# KiCad board bldc_controller.kicad_pcb
title: ${BOARD_NAME} PCB; date: 2023-12-09; rev: 1.0; company: ${COMPANY}
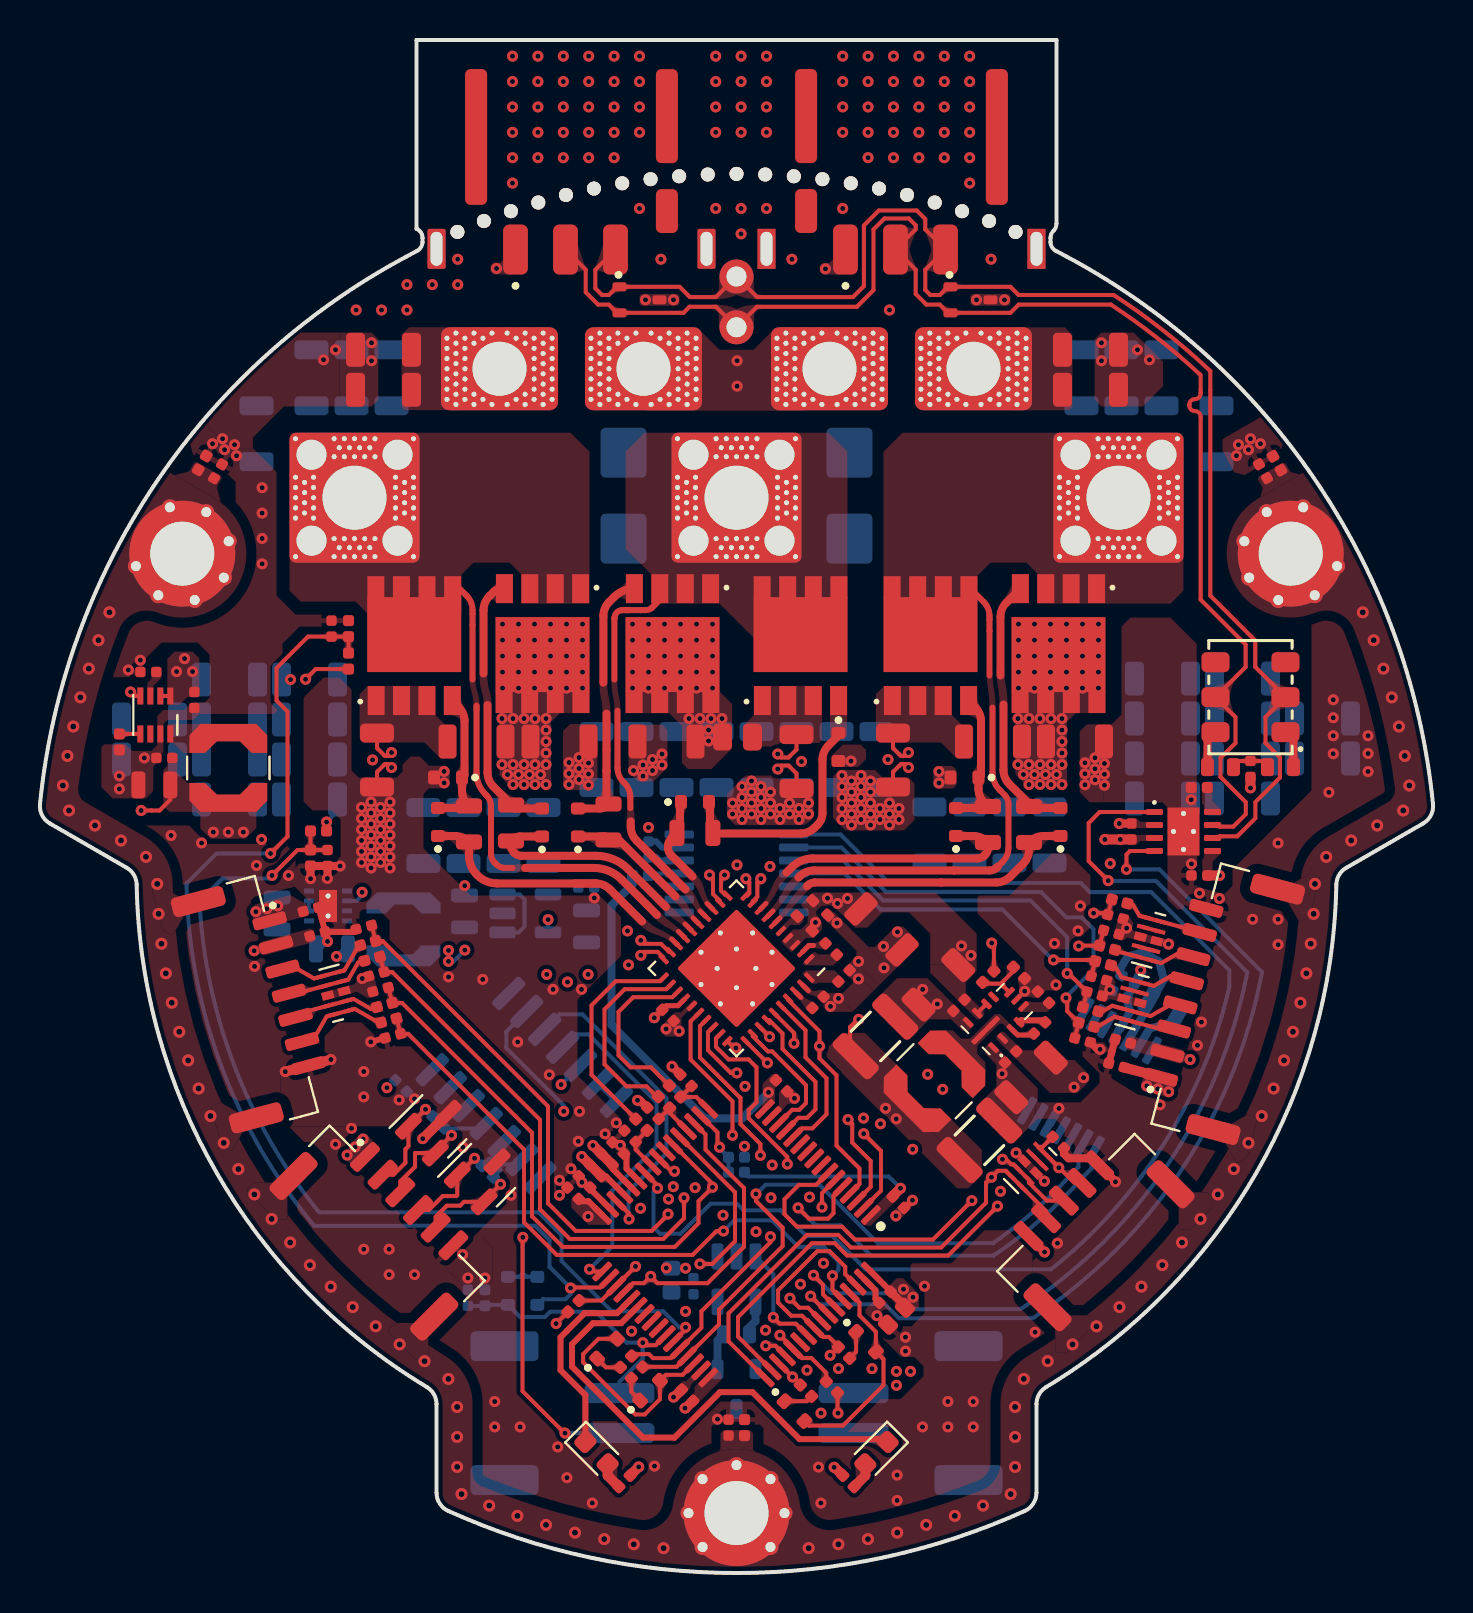
[diagram p0: board, top side]
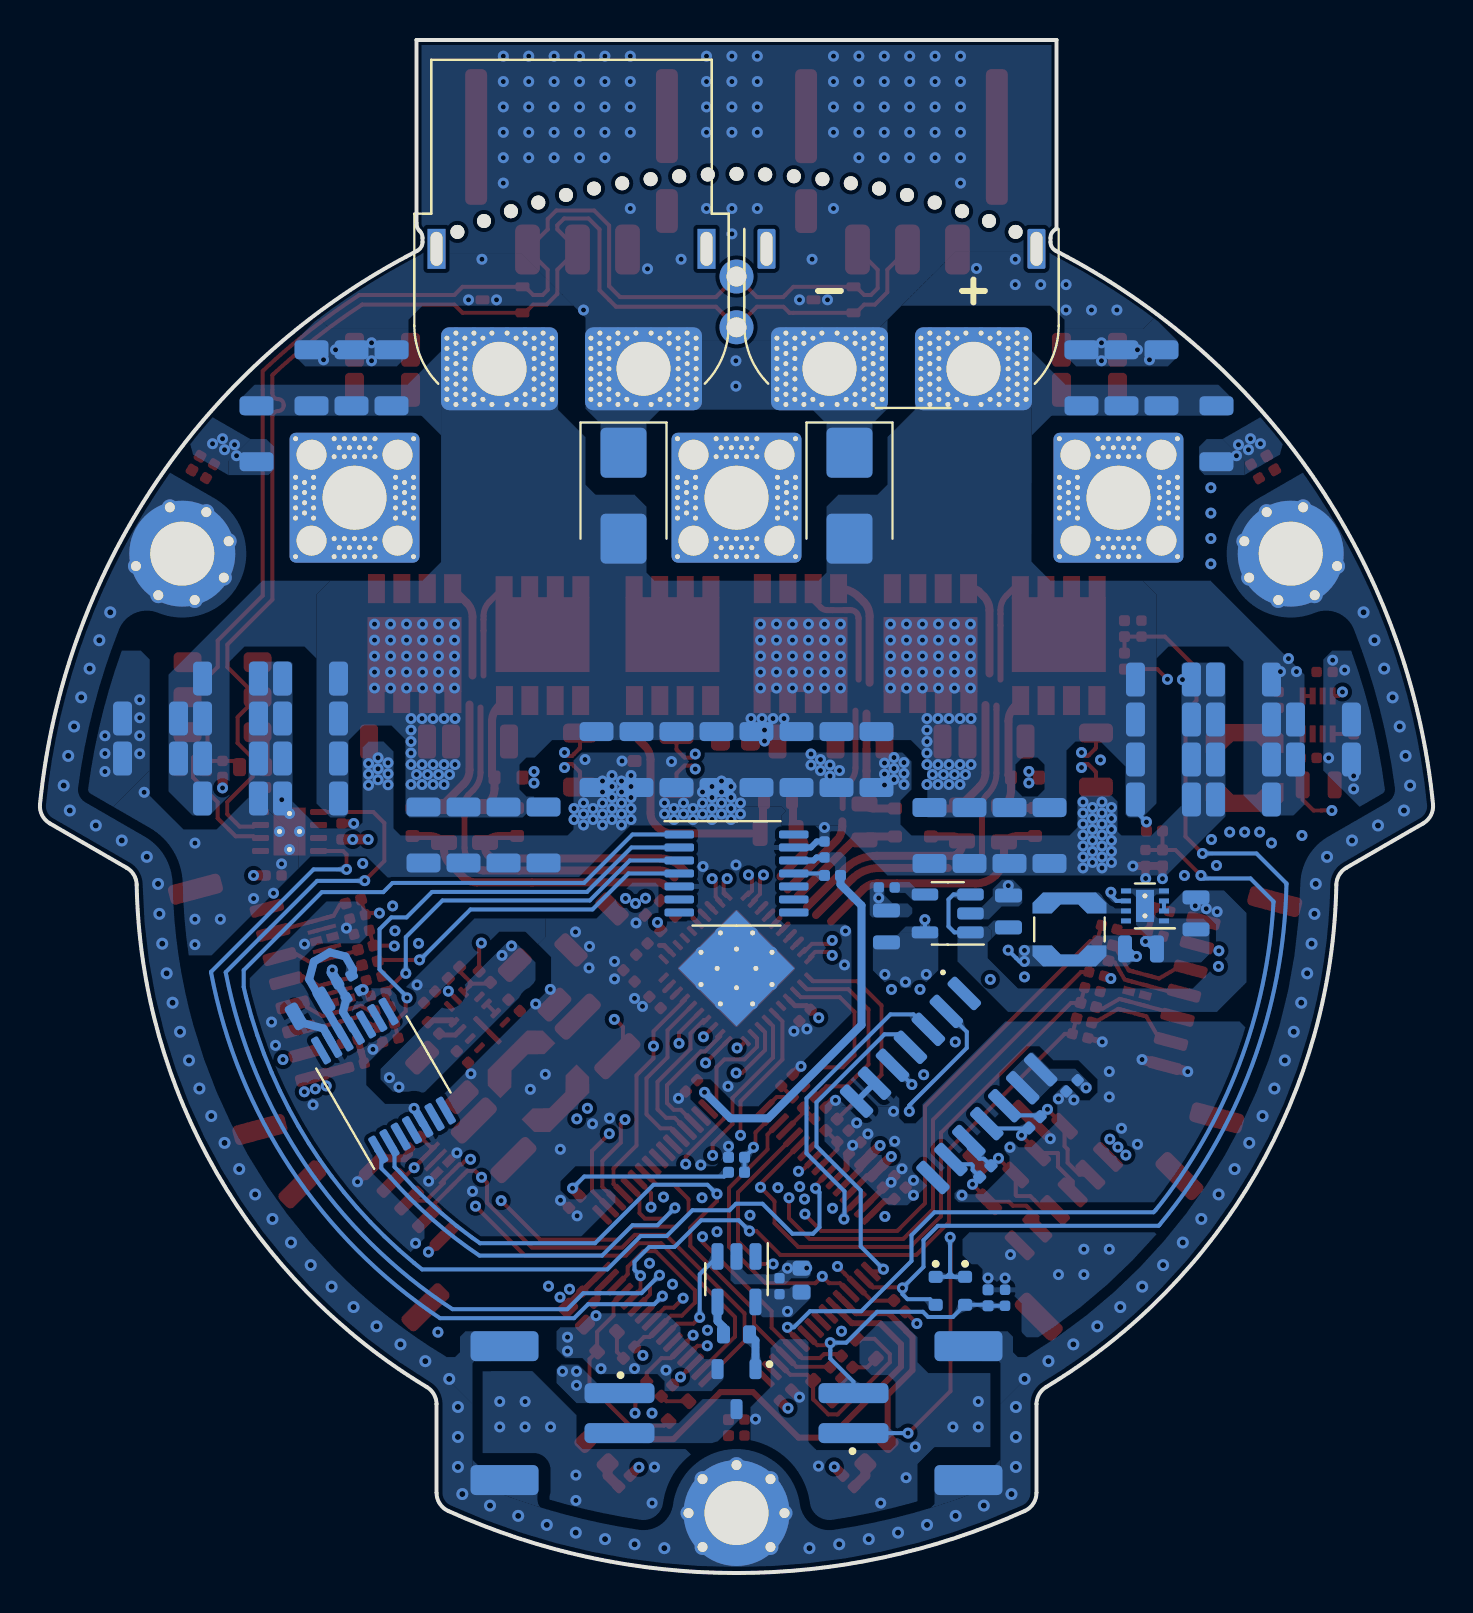
[diagram p1: board, bottom side, seen from below]

Outline 69.66 x 76.7 mm; copper layers: Top, In1.Cu, In2.Cu, In3.Cu, In4.Cu, Bottom. Coordinates in mm from the lower left corner of the outline.
Outline path: 0,38.47 arc(5.73,54.45) 18.3,65.85 18.86,66.15 arc(19.06,66.34) 19.13,66.59 19.13,66.8 arc(19.06,67.05) 18.86,67.24 18.83,67.26 18.83,76.7 50.83,76.7 50.83,67.51 arc(50.79,67.32) 50.68,67.15 arc(50.57,66.99) 50.53,66.8 50.53,66.59 arc(50.6,66.34) 50.79,66.15 51.36,65.85 arc(63.93,54.45) 69.66,38.47 arc(69.55,37.91) 69.16,37.5 65.32,35.29 arc(64.96,34.93) 64.82,34.44 arc(60.81,20) 50.31,9.3 arc(49.96,8.94) 49.83,8.45 49.83,4.02 arc(49.67,3.47) 49.24,3.1 arc(34.83,0) 20.42,3.1 arc(19.99,3.47) 19.83,4.02 19.83,8.45 arc(19.7,8.94) 19.34,9.3 arc(8.85,20) 4.83,34.44 arc(4.69,34.93) 4.33,35.29 0.5,37.5 arc(0.11,37.91) 0,38.47
Stack: Top 0.07mm / dielectric 0.18mm FR4_7628 er 4.29 / In1.Cu 0.035mm / dielectric 0.4mm FR4 er 4.6 / In2.Cu 0.035mm / dielectric 0.18mm FR4_7628 er 4.29 / In3.Cu 0.035mm / dielectric 0.4mm FR4 er 4.6 / In4.Cu 0.035mm / dielectric 0.18mm FR4_7628 er 4.29 / Bottom 0.07mm

## Placement (name value [footprint] x y rotation side)
C1  4u7  [C_0603_1608_DensityHigh]  42.83 12.85 225 top
C2  100n  [C_0402_1005_DensityHigh]  37.08 24.38 315 top
C3  100n  [C_0402_1005_DensityHigh]  26.65 19 135 top
C4  1u X7R 100V  [C_0402_1005_DensityHigh]  27.22 20.14 225 top
C5  4u7  [C_0402_1005_DensityHigh]  28.35 21.27 45 top
C6  100n  [C_0402_1005_DensityHigh]  32.38 8.9 135 top
C7  1u X7R 100V  [C_0402_1005_DensityHigh]  42.92 18.55 315 top
C8  100n  [C_0402_1005_DensityHigh]  28.92 20.69 45 top
C9  100n  [C_0402_1005_DensityHigh]  42.25 13.8 225 top
C10  100n  [C_0402_1005_DensityHigh]  27.8 19.57 225 top
C11  1n  [C_0402_1005_DensityHigh]  32.3 24.65 135 top
C12  1n  [C_0402_1005_DensityHigh]  30.65 23 135 top
C13  1n  [C_0402_1005_DensityHigh]  29.5 21.85 135 top
C14  4u7 100V  [C_1206_3216_DensityHigh]  13.58 59.8 90 bottom
C15  4u7 100V  [C_1206_3216_DensityHigh]  15.58 59.8 90 bottom
C16  4u7 100V  [C_1206_3216_DensityHigh]  5.48 42.7 180 bottom
C17  1u X7R 100V  [C_0402_1005_DensityHigh]  7.72 43.68 270 top
C18  4u7 X7R 100V  [C_1206_3216_DensityHigh]  49.56 24.8 225 top
C19  4u7 100V  [C_1206_3216_DensityHigh]  52.08 59.8 90 bottom
C20  4u7 100V  [C_1206_3216_DensityHigh]  54.08 59.8 90 bottom
C21  4u7 100V  [C_1206_3216_DensityHigh]  56.08 59.8 90 bottom
C22  4u7 100V  [C_1206_3216_DensityHigh]  5.48 40.7 180 bottom
C23  4u7 100V  [C_1206_3216_DensityHigh]  41.83 40.7 270 bottom
C24  4u7 100V  [C_1206_3216_DensityHigh]  39.83 40.7 270 bottom
C25  4u7 X7R 100V  [C_1206_3216_DensityHigh]  44.92 29.43 225 top
C26  4u7 100V  [C_1206_3216_DensityHigh]  37.83 40.7 270 bottom
C27  4u7 100V  [C_1206_3216_DensityHigh]  35.83 40.7 270 bottom
C28  4u7 100V  [C_1206_3216_DensityHigh]  33.83 40.7 270 bottom
C29  220n X7R 100V  [C_0402_1005_DensityHigh]  45.95 28.4 225 top
C30  4u7 100V  [C_1206_3216_DensityHigh]  31.83 40.7 270 bottom
C31  4u7 100V  [C_1206_3216_DensityHigh]  29.83 40.7 270 bottom
C32  4u7 100V  [C_1206_3216_DensityHigh]  27.83 40.7 270 bottom
C33  1u X7R 100V  [C_0402_1005_DensityHigh]  5.42 45.08 180 top
C34  4u7 100V  [C_1206_3216_DensityHigh]  17.18 61.2 180 top
C35  4u7 100V  [C_1206_3216_DensityHigh]  52.53 59.2 0 top
C36  4u7 100V  [C_1206_3216_DensityHigh]  17.58 59.8 90 bottom
C37  220n X7R 100V  [C_0402_1005_DensityHigh]  48.53 25.82 225 top
C38  4u7 100V  [C_1206_3216_DensityHigh]  9.48 40.7 0 bottom
C39  4u7 100V  [C_1206_3216_DensityHigh]  9.48 44.7 0 bottom
C40  4u7 100V  [C_1206_3216_DensityHigh]  19.18 36.9 270 bottom
C41  1u X7R 100V  [C_0402_1005_DensityHigh]  50.17 28.81 135 top
C42  4u7 100V  [C_1206_3216_DensityHigh]  21.18 36.9 270 bottom
C43  4u7 100V  [C_1206_3216_DensityHigh]  23.18 36.9 270 bottom
C44  4u7 100V  [C_1206_3216_DensityHigh]  25.18 36.9 270 bottom
C45  4u7 100V  [C_1206_3216_DensityHigh]  44.48 36.93 270 bottom
C46  4u7 100V  [C_1206_3216_DensityHigh]  46.48 36.93 270 bottom
C47  4u7 100V  [C_1206_3216_DensityHigh]  48.48 36.93 270 bottom
C48  4u7 100V  [C_1206_3216_DensityHigh]  50.48 36.93 270 bottom
C49  4u7 100V  [C_1206_3216_DensityHigh]  58.83 57 270 bottom
C50  4u7 100V  [C_1206_3216_DensityHigh]  17.18 59.2 180 top
C51  4u7 100V  [C_1206_3216_DensityHigh]  56.13 38.75 0 bottom
C52  4u7 100V  [C_1206_3216_DensityHigh]  56.13 40.75 0 bottom
C53  4u7 100V  [C_1206_3216_DensityHigh]  56.13 42.75 0 bottom
C54  1u X7R 100V  [C_0402_1005_DensityHigh]  6.22 40.78 180 top
C55  4u7 100V  [C_1206_3216_DensityHigh]  56.13 44.75 0 bottom
C56  4u7 100V  [C_1206_3216_DensityHigh]  9.48 42.7 0 bottom
C57  4u7 100V  [C_1206_3216_DensityHigh]  60.13 38.75 180 bottom
C58  100n X7R 100V  [C_0402_1005_DensityHigh]  49.98 27.27 45 top
C59  4u7 100V  [C_1206_3216_DensityHigh]  9.48 38.7 0 bottom
C60  4u7 100V  [C_1206_3216_DensityHigh]  13.48 38.7 180 bottom
C61  4u7 100V  [C_1206_3216_DensityHigh]  13.48 40.7 180 bottom
C62  10u X7R 6.3V  [C_0805_2012_DensityHighest]  5.72 39.43 180 top
C63  4u7 100V  [C_1206_3216_DensityHigh]  13.48 42.7 180 bottom
C64  4u7 100V  [C_1206_3216_DensityHigh]  13.48 44.7 180 bottom
C65  4u7 100V  [C_1206_3216_DensityHigh]  60.13 44.75 180 bottom
C66  4u7 100V  [C_1206_3216_DensityHigh]  64.13 42.75 0 bottom
C67  4u7 100V  [C_1206_3216_DensityHigh]  64.13 40.75 0 bottom
C68  4u7 100V  [C_1206_3216_DensityHigh]  60.13 42.75 180 bottom
C69  15u X7R 25V  [C_1210_3225_DensityHigh]  41.78 26.85 45 top
C70  4u7 100V  [C_1206_3216_DensityHigh]  60.13 40.75 180 bottom
C71  4u7 100V  [C_1206_3216_DensityHigh]  52.53 61.2 0 top
C72  4u7 100V  [C_1206_3216_DensityHigh]  10.83 57 270 bottom
C73  15u X7R 25V  [C_1210_3225_DensityHigh]  46.97 21.65 45 top
C74  10u X7R 6.3V  [C_0805_2012_DensityHighest]  21.23 33.1 90 bottom
C75  10u X7R 25V  [C_0805_2012_DensityHighest]  11.85 33 270 bottom
C76  10n  [C_0402_1005_DensityHigh]  27.32 34.3 0 bottom
C77  10u X7R 6.3V  [C_0805_2012_DensityHighest]  27.33 32.35 90 bottom
C78  22u X7R 10V  [C_0805_2012_DensityHighest]  14.6 31.23 180 bottom
C81  1u X7R 25V  [C_0402_1005_DensitySpaced]  38.25 33.25 225 top
C82  4u7 100V  [C_1206_3216_DensityHighest]  42.08 32.2 315 top
C83  100n X7R 16V  [C_0402_1005_DensityHigh]  31.4 27.9 315 top
C84  47n X7R 100V  [C_0402_1005_DensityHigh]  39.56 31.22 315 top
C85  100n X7R 100V  [C_0402_1005_DensitySpaced]  39 32.53 45 top
C86  1u X7R 25V  [C_0402_1005_DensityHigh]  40.2 29.88 45 top
C87  1u X7R 16V  [C_0402_1005_DensityHigh]  38.9 28.55 45 top
C88  100n X7R 100V  [C_1206_3216_DensityHighest]  47.65 41.6 180 top
C89  4u7 100V  [C_1206_3216_DensityHighest]  25.98 41.6 0 top
C90  100n X7R 100V  [C_0805_2012_DensityHigh]  34.88 41.83 0 top
C91  4u7 100V  [C_1206_3216_DensityHighest]  31.33 41.6 180 top
C92  100n X7R 100V  [C_1206_3216_DensityHighest]  21.83 41.6 180 top
C93  4u7 100V  [C_1206_3216_DensityHighest]  51.75 41.6 0 top
C94  100n  [C_0402_1005_DensityHigh]  14.58 47.25 90 top
C95  100n  [C_0402_1005_DensityHigh]  21.4 13.77 90 bottom
C96  100n  [C_0402_1005_DensityHigh]  14.38 35.78 270 top
C97  100n  [C_0402_1005_DensityHigh]  30.43 36.2 90 bottom
C98  100n  [C_0402_1005_DensityHigh]  53.98 28.95 150 bottom
C99  10u X7R 6.3V  [C_0805_2012_DensityHighest]  56.15 28.25 330 bottom
C100  100n  [C_0402_1005_DensityHigh]  18.05 24.38 315 bottom
C101  100n  [C_0402_1005_DensityHigh]  57.98 34.9 180 top
C102  100n  [C_0402_1005_DensityHigh]  54.58 37.1 90 top
C103  4u7  [C_0603_1608_DensityHigh]  31.58 14.65 90 bottom
C104  100n  [C_0402_1005_DensityHigh]  32.68 14.35 90 bottom
C105  100n  [C_0402_1005_DensityHigh]  53.83 25.4 165 top
C106  100n  [C_0402_1005_DensityHigh]  13.55 33.2 15 top
C107  100n  [C_0402_1005_DensityHigh]  54.15 26.6 165 top
C108  100n  [C_0402_1005_DensityHigh]  13.88 31.97 15 top
C109  DNP  [C_0402_1005_DensityHigh]  53.78 32.83 345 top
C110  DNP  [C_0402_1005_DensityHigh]  17.65 26.87 195 top
C111  DNP  [C_0402_1005_DensityHigh]  53.57 32.06 345 top
C112  DNP  [C_0402_1005_DensityHigh]  17.03 29.19 195 top
C113  DNP  [C_0402_1005_DensityHigh]  52.95 29.75 345 top
C114  DNP  [C_0402_1005_DensityHigh]  16.82 29.96 195 top
C115  DNP  [C_0402_1005_DensityHigh]  52.74 28.98 345 top
C116  DNP  [C_0402_1005_DensityHigh]  16.19 32.31 195 top
C117  DNP  [C_0402_1005_DensityHigh]  52.13 26.66 345 top
C118  100n  [C_0402_1005_DensityHigh]  50.92 21.54 315 top
C119  4u7  [C_0402_1005_DensityHigh]  60.53 40.23 270 top
C120  330n  [C_0402_1005_DensityHigh]  34.43 7.28 90 top
C121  330n  [C_0402_1005_DensityHigh]  8.9 55.12 60 top
C122  330n  [C_0402_1005_DensityHigh]  61.15 55.13 120 top
D1  BAT41KFILM  [D_SOD-523]  46.23 39.8 180 top
D2  BAT41KFILM  [D_SOD-523]  51.03 37.58 90 top
D3  BAT41KFILM  [D_SOD-523]  45.8 37.58 90 top
D4  BAT41KFILM  [D_SOD-523]  39.93 41.33 270 top
D5  BAT41KFILM  [D_SOD-523]  26.9 37.55 90 top
D6  BAT41KFILM  [D_SOD-523]  32.75 38.58 0 top
D7  BAT41KFILM  [D_SOD-523]  20.4 39.8 180 top
D8  BAT41KFILM  [D_SOD-523]  25.1 37.55 90 top
D9  BAT41KFILM  [D_SOD-523]  19.9 37.58 90 top
D10  LED  [LED_0603_1608Metric]  27.83 6 315 top
D11  LED  [LED_0603_1608Metric]  41.83 6 225 top
D12  BAT41KFILM  [D_SOD-523]  24.87 14.12 270 bottom
D13  BAT41KFILM  [D_SOD-523]  23.4 14.12 270 bottom
D14  PESD4USB5B-TTSX  [DFN2510-D10]  55.43 31.73 345 top
D15  PESD4USB5B-TTSX  [DFN2510-D10]  14.8 29.01 195 top
D16  PESD4USB3U-TTSX  [DFN2510-D10]  54.6 28.63 345 top
D17  BAT41KFILM  [D_SOD-523]  37.73 8.1 315 top
D18  BAT41KFILM  [D_SOD-523]  28.35 11.23 45 top
D19  BAT41KFILM  [D_SOD-523]  41.3 11.58 315 top
D20  BAT41KFILM  [D_SOD-523]  30.5 9.13 45 top
D21  CDSOT23-SM712  [SOT-23]  22.2 19.91 45 top
D22  PESD2CANFD24V-UX  [SOT-323_SC-70]  46.53 63.7 0 top
D23  PESD2CANFD24V-UX  [SOT-323_SC-70]  29.98 63.7 0 top
D24  PESD4USB3U-TTSX  [DFN2510-D10]  49.52 20.31 315 top
D25  CDSOT23-SM712  [SOT-23]  19.76 22.35 45 top
H1  M3  [MountingHole_3.2mm_M3_Pad_Via]  34.83 3 180 top
H2  M3  [MountingHole_3.2mm_M3_Pad_Via]  7.12 51 60 top
H3  M3  [MountingHole_3.2mm_M3_Pad_Via]  62.54 51 300 top
J1  XT60PW-F  [AMASS_XT60PW-F_1x02_P7.20mm_Horizontal]  39.48 60.25 180 bottom
J2  XT60PW-M  [AMASS_XT60PW-M_1x02_P7.20mm_Horizontal]  30.18 60.25 180 bottom
J3  Phase A  [Pad_Square_Vias_6.5x6.5mm]  53.93 53.8 180 top
J4  Phase B  [Pad_Square_Vias_6.5x6.5mm]  34.83 53.8 180 top
J5  Phase C  [Pad_Square_Vias_6.5x6.5mm]  15.73 53.8 0 top
J6  SM08B-GHS-TB  [JST_GH_SM08B-GHS-TB_1x08-1MP_P1.25mm_Horizontal]  58.97 28.55 75 top
J7  SM07B-GHS-TB  [JST_GH_SM07B-GHS-TB_1x07-1MP_P1.25mm_Horizontal]  10.67 28.53 285 top
J8  JST S2B-PH-SM4-TB  [JST_PH_S2B-PH-SM4-TB_1x02-1MP_P2.00mm_Horizontal]  26.13 8 90 bottom
J9  SM06B-GHS-TB  [JST_GH_SM06B-GHS-TB_1x06-1MP_P1.25mm_Horizontal]  17.15 17.3 315 top
J10  JST S2B-PH-SM4-TB  [JST_PH_S2B-PH-SM4-TB_1x02-1MP_P2.00mm_Horizontal]  43.53 8 270 bottom
J11  Nano-Fit 1x03  [1054301203]  43.08 70.9 180 top
J12  Nano-Fit 1x03  [1054301203#2]  26.58 70.9 180 top
J13  SM05B-GHS-TB  [JST_GH_SM05B-GHS-TB_1x05-1MP_P1.25mm_Horizontal]  52.5 17.33 45 top
J14  PTH 01x02 2.54mm  [PTH_1x02_P2.54mm]  34.83 62.33 180 top
L1  4u7  [L_Coilcraft_LPS4018]  9.42 40.28 270 top
L2  2u2  [L_Coilcraft_LPS4018]  44.73 24.6 225 top
L3  2u2  [L_Coilcraft_LPS3314]  18.18 32.2 270 bottom
NT1  FB_5V  [NetTie-2_SMD_Pad0.2mm]  5.78 38.15 0 top
NT2  FB_12V  [NetTie-2_SMD_Pad0.2mm]  40.65 27.46 225 top
NT3  VOS_3V3  [NetTie-2_SMD_Pad0.2mm]  20.98 30.9 225 bottom
NT4  SRC_HS_A  [NetTie-2_SMD_Pad0.3mm]  47.48 47.43 90 top
NT5  SHNTA_P  [NetTie-2_SMD_Pad0.2mm]  42.83 41.1 315 top
NT6  SHNTA_N  [NetTie-2_SMD_Pad0.2mm]  42.83 40.25 225 top
NT7  SRC_HS_B  [NetTie-2_SMD_Pad0.3mm]  29.73 48.18 0 top
NT8  SHNTB_P  [NetTie-2_SMD_Pad0.2mm]  37.65 41.03 45 top
NT9  SHNTB_N  [NetTie-2_SMD_Pad0.2mm]  37.65 40.18 315 top
NT10  SRC_HS_C  [NetTie-2_SMD_Pad0.3mm]  21.63 47.7 90 top
NT11  SHNTC_P  [NetTie-2_SMD_Pad0.2mm]  17.05 41.08 135 top
NT12  SHNTC_N  [NetTie-2_SMD_Pad0.2mm]  17.05 40.28 225 top
NT13  NTC_MOT_H  [NetTie-2_SMD_Pad0.2mm]  26.78 7 0 bottom
NT14  NTC_MOT_L  [NetTie-2_SMD_Pad0.2mm]  30.14 10.93 270 bottom
Q1  TPW1R306PL,L1Q  [2-5S1A]  50.93 46.5 270 top
Q2  TPW1R306PL,L1Q  [2-5S1A]  44.53 46.4 90 top
Q3  TPW1R306PL,L1Q  [2-5S1A]  31.63 46.5 270 top
Q4  TPW1R306PL,L1Q  [2-5S1A]  38.03 46.4 90 top
Q5  TPW1R306PL,L1Q  [2-5S1A]  25.13 46.5 270 top
Q6  TPW1R306PL,L1Q  [2-5S1A]  18.71 46.4 90 top
Q7  PMV15ENER  [SOT-23-3]  34.83 9.2 270 bottom
R1  22R  [R_0402_1005_DensityHigh]  31.75 24.1 135 top
R2  22R  [R_0402_1005_DensityHigh]  31.2 23.55 135 top
R3  22R  [R_0402_1005_DensityHigh]  30.08 22.43 135 top
R4  0R  [R_0402_1005_DensityHigh]  3.97 41.58 270 top
R5  100k  [R_0402_1005_DensityHigh]  47.42 29.83 225 top
R6  9k09  [R_0402_1005_DensityHigh]  48.95 30.03 315 top
R7  2k  [R_0402_1005_DensityHigh]  26.68 13.35 45 top
R8  2k  [R_0402_1005_DensityHigh]  39.6 9.3 135 top
R9  7R5  [R_0805_2012_DensityHigh]  49.45 37.45 270 top
R10  7R5  [R_0805_2012_DensityHigh]  47.4 37.45 90 top
R11  0m5  [R_1206_3216_DensityHigh]  42.65 40.68 90 top
R12  7R5  [R_0805_2012_DensityHigh]  28.43 37.58 90 top
R13  7R5  [R_0805_2012_DensityHigh]  32.75 37.03 0 top
R14  0m5  [R_1206_3216_DensityHigh]  37.83 40.6 90 top
R15  7R5  [R_0805_2012_DensityHigh]  23.55 37.53 90 top
R16  7R5  [R_0805_2012_DensityHigh]  21.45 37.48 90 top
R17  0m5  [R_1206_3216_DensityHigh]  16.85 40.68 90 top
R18  100k 1%  [R_0402_1005_DensityHigh]  34.83 20.05 180 bottom
R19  DNP  [R_0402_1005_DensityHigh]  34.83 20.8 0 bottom
R20  560R  [R_0402_1005_DensityHigh]  29.23 4.6 225 top
R21  560R  [R_0402_1005_DensityHigh]  40.43 4.6 315 top
R22  10k 1%  [R_0402_1005_DensityHigh]  15.43 47.25 90 top
R23  10k 1%  [R_0402_1005_DensityHigh]  22.25 13.77 90 bottom
R24  100k 1%  [R_0402_1005_DensityHigh]  13.93 37.12 180 top
R25  4.7k 1%  [R_0402_1005_DensityHigh]  13.53 35.78 270 top
R26  0R  [R_0402_1005_DensityHigh]  30.03 34.9 0 bottom
R27  0R  [R_0402_1005_DensityHigh]  54.42 29.71 150 bottom
R28  10k 1%  [R_0402_1005_DensityHigh]  57.97 39.3 180 top
R29  10R  [R_0603_1608_DensityHigh]  34.83 11.94 180 bottom
R30  100R  [R_0402_1005_DensityHigh]  52.33 27.43 165 top
R31  100R  [R_0402_1005_DensityHigh]  52.53 28.2 165 top
R32  100R  [R_0402_1005_DensityHigh]  53.16 30.52 165 top
R33  100R  [R_0402_1005_DensityHigh]  53.36 31.28 165 top
R34  100R  [R_0402_1005_DensityHigh]  53.99 33.6 165 top
R35  100R  [R_0402_1005_DensityHigh]  16.41 31.51 15 top
R36  100R  [R_0402_1005_DensityHigh]  16.61 30.74 15 top
R37  100R  [R_0402_1005_DensityHigh]  17.24 28.42 15 top
R38  100R  [R_0402_1005_DensityHigh]  17.44 27.65 15 top
R39  2k  [R_0402_1005_DensityHigh]  38.3 9.13 135 top
R40  2k  [R_0402_1005_DensityHigh]  29.3 10.58 45 top
R41  2k  [R_0402_1005_DensityHigh]  40.2 11.03 135 top
R42  2k  [R_0402_1005_DensityHigh]  29.85 10.03 45 top
R43  60R  [R_0603_1608_DensityHigh]  62.03 40.32 180 top
R44  60R  [R_0603_1608_DensityHigh]  59.03 40.32 180 top
R45  100R  [R_0402_1005_DensityHigh]  19.93 22.55 315 bottom
R46  100R  [R_0402_1005_DensityHigh]  22.38 20.09 315 bottom
R47  100k  [R_0402_1005_DensityHigh]  35.23 7.28 90 top
R48  100k  [R_0402_1005_DensityHigh]  8.11 55.54 60 top
R49  100k  [R_0402_1005_DensityHigh]  61.85 55.53 120 top
REF**  -  [mousebites_single_0.7mm]  23.55 68.13 0 top
REF**#2  -  [mousebites_single_0.7mm]  47.46 67.64 0 top
REF**#3  -  [mousebites_single_0.7mm]  33.39 69.97 0 top
REF**#4  -  [mousebites_single_0.7mm]  48.78 67.1 0 top
REF**#5  -  [mousebites_single_0.7mm]  26.3 68.95 0 top
REF**#6  -  [mousebites_single_0.7mm]  22.2 67.64 0 top
REF**#7  -  [mousebites_single_0.7mm]  40.54 69.53 0 top
REF**#8  -  [mousebites_single_0.7mm]  27.7 69.27 0 top
REF**#9  -  [mousebites_single_0.7mm]  34.83 70 0 top
REF**#10  -  [mousebites_single_0.7mm]  20.87 67.1 0 top
REF**#11  -  [mousebites_single_0.7mm]  29.11 69.53 0 top
REF**#12  -  [mousebites_single_0.7mm]  24.92 68.57 0 top
REF**#13  -  [mousebites_single_0.7mm]  30.53 69.74 0 top
REF**#14  -  [mousebites_single_0.7mm]  37.7 69.88 0 top
REF**#15  -  [mousebites_single_0.7mm]  36.26 69.97 0 top
REF**#16  -  [mousebites_single_0.7mm]  44.74 68.57 0 top
REF**#17  -  [mousebites_single_0.7mm]  43.35 68.95 0 top
REF**#18  -  [mousebites_single_0.7mm]  46.11 68.13 0 top
REF**#19  -  [mousebites_single_0.7mm]  41.96 69.27 0 top
REF**#20  -  [mousebites_single_0.7mm]  39.12 69.74 0 top
REF**#21  -  [mousebites_single_0.7mm]  31.96 69.88 0 top
SW1  CAS-220TA  [CAS-220A_NDC-L]  60.53 43.82 180 top
TH1  47k 1% NTC  [R_0402_1005_DensityHigh]  15.43 45.63 90 top
U1  STM32G474RET3  [LQFP-64_10x10mm_P0.5mm]  34.83 16.5 225 top
U2  MAX15062BATA+T  [DFN-8_2x2mm_P0.5mm]  5.77 42.93 270 top
U3  -  [LMR36006FSCQRNXRQ1]  47.84 27.71 135 top
U4  TPS62172DSG  [WSON-8-1EP_2x2mm_P0.5mm_EP0.9x1.6mm_ThermalVias]  14.4 33.38 0 bottom
U5  LP2992IM5-3.3/NOPB  [SOT-23-5]  24.27 33 0 bottom
U6  SMBJ51CD-M3/H  [D_SMB]  29.18 53.9 270 bottom
U7  SMBJ51CD-M3/H  [D_SMB]  40.48 53.9 270 bottom
U8  DRV8353FS  [WQFN-40-1EP_6x6mm_P0.5mm_EP4.15x4.15mm_ThermalVias]  34.83 30.25 225 top
U9  AS5047P  [TSSOP-14_4.4x5mm_P0.65mm]  34.83 35 180 bottom
U10  AS5048B  [TSSOP-14_4.4x5mm_P0.65mm#2]  52.48 24.64 60 bottom
U11  SN65HVD35DR  [SOIC-14 5.4mm]  24.22 24.39 225 bottom
U12  TCAN1051HGVDRBRQ1  [HVSON-8-1EP_3x3mm_P0.65mm_EP1.6x2.4mm_ThermalVias]  57.18 37.1 0 top
U13  DGD0216WT-7  [TSOT-23-5]  34.83 14.7 270 bottom

## Library data of the parts
C1 C4 C5 C7 C14-C28 C30-C36 C38-C57 C59-C75 C77 C78 C81 C82 C86 C87 C89 C91 C93-C96 C99 C103 = -: Description: Unpolarized capacitor
C2 C3 C6 C8-C13 C29 C37 C58 C76 C83-C85 C88 C90 C92 C97 C98 C100-C102 C104-C122 = -: Description: Unpolarized capacitor, small symbol
D1-D9 D12 D13 D17-D20 = -: Description: 100V 1A Schottky Diode, SOD-523-2
D10 D11 = -: Description: Light emitting diode
D14 D15 = -: Description: 5.5V (Typ) Clamp 7A (8/20µs) Ipp Tvs Diode Surface Mount, Wettable Flank DFN2510D-10
D16 D24 = -: Description: 3.5V (Typ) Clamp 7A (8/20µs) Ipp Tvs Diode Surface Mount, Wettable Flank DFN2510D-10
D21 D25 = -: Description: 7V/12V, 400W Asymmetrical TVS Diode Array, SOT-23
D22 D23 = -: Description: ESD Suppressors / TVS Diodes PESD2CANFD24V-UX
H1-H3 = -: Description: Mounting Hole with connection
J1 J2 J14 = -: Description: Generic connector, single row, 01x02, script generated (kicad-library-utils/schlib/autogen/connector/)
J3-J5 = -: Description: Solder Pad
J6 = -: Description: Generic connector, single row, 01x08 with mounting pin
J7 = -: Description: Generic connector, single row, 01x07 with mounting pin
J8 J10 = -: Description: Generic connector, single row with mounting pin
J9 = -: Description: Generic connector, single row, 01x06 with mounting pin
J11 J12 = -: Description: Generic connector, single row, 01x03, script generated (kicad-library-utils/schlib/autogen/connector/)
J13 = -: Description: Generic connector, single row, 01x05 with mounting pin
L1 = -: Description: Inductor; Manufacturer Part Number: LPS4018-473MRC; Supplier 1: Mouser; Supplier Part Number 1: 994-LPS4018-473MRC
L2 = -: Description: Inductor; Manufacturer Part Number: LPS4018-223MRC; Supplier 1: Mouser; Supplier Part Number 1: 994-LPS4018-223MRC
L3 = -: Description: Inductor; Manufacturer Part Number: LPS3314-222MRC
NT1-NT14 = -: Description: Net tie, 2 pins
Q1-Q6 = -: Description: N-Channel 60 V 260A (Tc) 170W (Tc) Surface Mount DSOP Advance 2-5S1A
Q7 = -: Description: N-Channel 30 V 6.2A (Ta) 1.3W (Ta) Surface Mount SOT-23-3
R1-R3 R9-R17 R26 R27 R29-R49 = -: Description: Resistor, small symbol
R4-R8 R18-R25 R28 = -: Description: Resistor
SW1 = -: Description: Switch, dual pole double throw, separate symbols; Supplier 1: Digikey; Supplier Part Number 1: CAS220JCT-ND
TH1 = -: Description: Temperature dependent resistor, negative temperature coefficient
U1 = -: Description: STMicroelectronics Arm Cortex-M4 MCU, 512KB flash, 128KB RAM, 170 MHz, 1.71-3.6V, 58 GPIO, LQFP64
U2 = -: Description: 60V, 300mA, synchronous step-down dc-dc converter, 5.0V fixed output voltage, DFN-8
U3 = -: Description: 0.6-A Ultra-small synchronous step-down converter; Height: 0.9; Manufacturer_Name: Texas Instruments; Mouser Part Number: 595-R36006FSCQRNXRQ1; Mouser Price/Stock: https://www.mouser.co.uk/ProductDetail/Texas-Instruments/LMR36006FSCQRNXRQ1?qs=9r4v7xj2Lnmuqcd0TqmQqQ%3D%3D
U4 = -: Description: 500mA Step-Down Converter with DCS-Control, fixed 3.3V output, 3-17V input voltage, WSON-8
U5 = -: Description: Micropower 250-mA Low-Noise Ultra-Low-Dropout Regulator
U6 U7 = -: Description: ESD Suppressors / TVS Diodes 51V 600W Bidir TransZorb 3.5% Tol
U8 = -: Description: 100-V Three-Phase Smart Gate Driver
U9 = -: Description: On-Axis Magnetic Position Sensor, 14-bit, PWM Output, ABI Output, UVW Output, SPI Interface, TSSOP-14